# Altium PCB тройничок.PcbDoc (part 1 of 5) (continued)
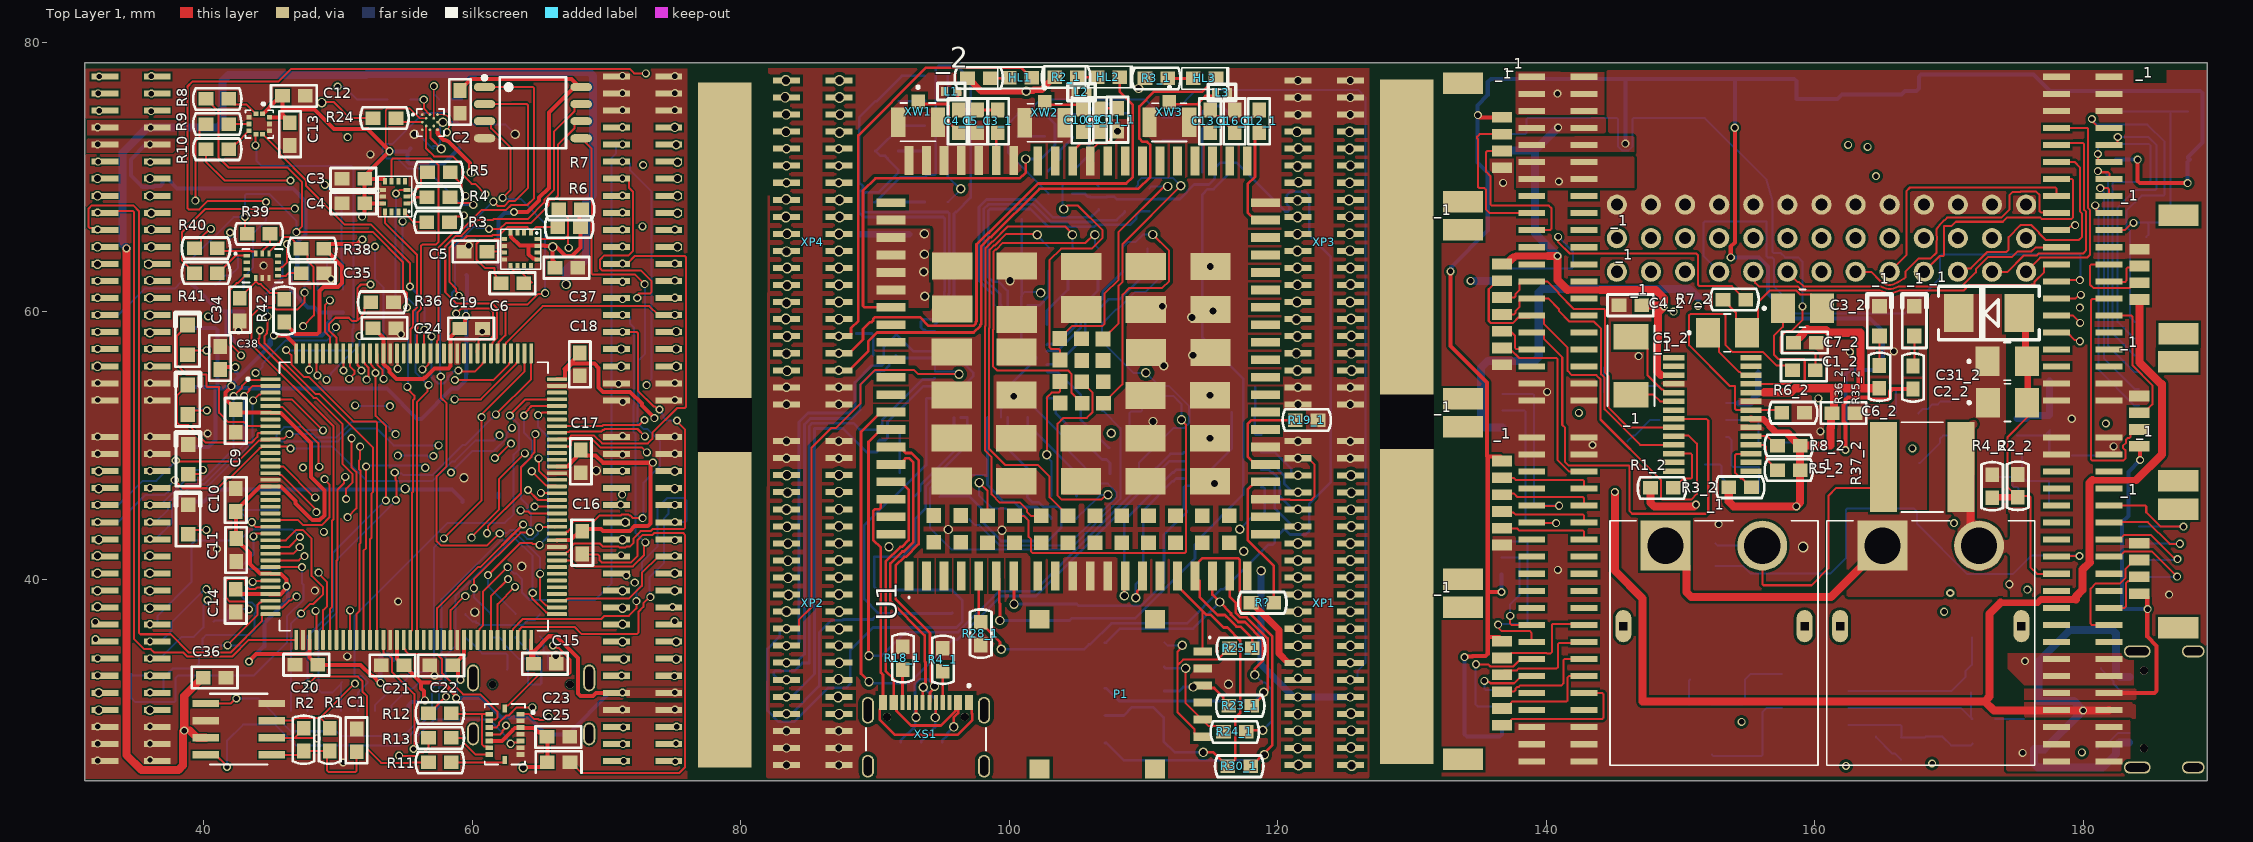
[diagram p0: Top Layer 1 view]
## Components (designator, comment, footprint, x,y, rotation, side; value= is the part's Value field where it differs from the comment) (continued)
D "D" GTFP08131Y2HR 45.425,71.025 r180 bottom
D1 "BMP388" PQFN50P200X200X80-10N 44.15,73.95 r270 top
D2 "BMI088" PQFN50P450X300X100-16N 62.44,28.5 r270 top
D3 "BMM150" XDCR_BMM150 56.893,74.057 r0 top
D4 "BMI270" XDCR_BMI270 44.375,63.4 r0 top
HL1 "Text" LD0603 100.841,77.399 r0 top
HL1 "" LD0805 38.8,57.875 r90 top
HL2 "Text" LD0603 107.391,77.449 r0 top
HL2 "" LD0805 38.825,53.425 r90 top
HL3 "Text" LD0603 114.566,77.349 r0 top
HL3 "" LD0805 38.85,48.975 r90 top
HL4 "Text" LD0603 104.716,73.824 r90 bottom
HL4 "" LD0805 38.85,44.5 r90 top
HL5 "Text" LD0603 113.242,73.574 r90 bottom
HL6 "Text" LD0603 102.666,73.899 r90 bottom
HL7 "Text" LD0603 90.817,68.124 r180 bottom
HL8 "Text" LD0603 90.892,71.949 r180 bottom
HL9 "Text" LD0603 90.917,75.649 r180 bottom
L1 "Inductor" L0402 95.691,76.374 r0 top value=68nH
L2 "Inductor" L0402 105.391,76.317 r0 top value=68nH
L3 "Inductor" L0402 115.867,76.299 r180 top value=68nH
LDO1 "КФ1158Н" ТО-263 67.167,63.902 r180 bottom
LDO2 "КФ1158Н" ТО-263 67.184,47.45 r180 bottom
P "Header 1x8" "PicoBlade 8pin" 50.885,30.25 r180 bottom
P1 "KF034" "RUICHI KF034" 107.891,31.424 r270 top
R1 "60Om" R0603 49.4,28.1 r270 top
R1_2 "1 kOm" R0603 148.625,46.85 r180 top (schematic designator R1)
R2 "60 Om" R0603 47.45,28.1 r270 top
R2_1 "1k" R0603 104.241,77.449 r180 top (schematic designator R2)
R2_2 "" R0603 175.125,47 r90 top (schematic designator R2)
R3 "0" R0603 57.475,66.65 r0 top
R3_1 "1k" R0603 110.966,77.349 r180 top (schematic designator R3)
R3_2 "1 kOm" R0603 154.45,46.9 r180 top (schematic designator R3)
R4 "0" R0603 57.5,68.5 r0 top
R4_1 "5,1 кОм" R0603 95.067,34.049 r270 top (schematic designator R4)
R4_2 "" R0603 173.225,46.975 r90 top (schematic designator R4)
R5 "0" R0603 57.525,70.35 r0 top
R5_1 "120K" R0603 117.491,54.349 r0 bottom (schematic designator R5)
R5_2 "1 kOm" R0603 158.075,48.175 r0 top (schematic designator R5)
R6 "2.2k" R0603 67.225,66.275 r0 top
R6_1 "10K" R0603 117.441,52.474 r180 bottom (schematic designator R6)
R6_2 "10 kOm" R0603 158.4,52.45 r180 top (schematic designator R6)
R7 "2.2k" R0603 67.3,67.6 r0 top
R7_1 "0" R0603 102.966,63.874 r90 bottom (schematic designator R7)
R7_2 "10 kOm" R0603 154.025,60.875 r0 top (schematic designator R7)
R8 "0" R0603 41.025,75.825 r0 top
R8_1 "0" R0603 104.791,63.899 r90 bottom (schematic designator R8)
R8_2 "10 kOm" R0603 158.075,50 r0 top (schematic designator R8)
R9 "0" R0603 41.025,73.95 r0 top
R9_1 "0" R0603 101.342,45.374 r270 bottom (schematic designator R9)
R9_2 "0" R0603 151.85,47.75 r270 bottom (schematic designator R9)
R10 "0" R0603 41.025,72.075 r0 top
R10_1 "0" R0603 108.291,49.849 r0 bottom (schematic designator R10)
R10_2 "124 kOm" R0603 156.725,46.6 r0 bottom (schematic designator R10)
R11 "0" R0603 57.6,26.4 r0 top
R11_1 "0" R0603 108.442,63.849 r90 bottom (schematic designator R11)
R11_2 "23.7 kOm" R0603 156.7,48.425 r0 bottom (schematic designator R11)
R12 "0" R0603 57.6,30.075 r180 top
R12_1 "0" R0603 106.616,63.874 r90 bottom (schematic designator R12)
R12_2 "0" R0603 145.175,54 r0 bottom (schematic designator R12)
R13 "0" R0603 57.6,28.225 r0 top
R13_1 "0" R0603 105.017,45.399 r270 bottom (schematic designator R13)
R13_2 "76.8 kOm" R0603 156.7,50.225 r180 bottom (schematic designator R13)
R14 "5,1 кОм" R0603 65.075,36.625 r270 bottom
R14_1 "0" R0603 103.142,45.399 r90 bottom (schematic designator R14)
R14_2 "100 kOm" R0603 156.625,55.65 r0 bottom (schematic designator R14)
R15 "68" R0603 61.375,36.575 r90 bottom
R15_1 "0" R0603 106.666,68.449 r90 bottom (schematic designator R15)
R15_2 "18.7 kOm" R0603 156.625,53.825 r0 bottom (schematic designator R15)
R16 "68" R0603 63.225,36.6 r90 bottom
R16_1 "0" R0603 108.617,68.299 r90 bottom (schematic designator R16)
R16_2 "193.38 kOm" R0603 145.2,50.325 r180 bottom (schematic designator R16)
R17 "5,1 кОм" R0603 59.525,36.6 r90 bottom
R17_1 "0" R0603 110.442,68.299 r90 bottom (schematic designator R17)
R17_2 "0" R0603 173.5,46.825 r270 bottom (schematic designator R17)
R18 "47 Ом" R0603 43.7,36.875 r180 bottom
R18_1 "5,1 кОм" R0603 92.091,34.174 r270 top (schematic designator R18)
R18_2 "124 kOm" R0603 178.3,45.5 r0 bottom (schematic designator R18)
R19 "47 кОм" R0603 56.025,33.225 r90 bottom
R19_1 "4K7" R0603 122.166,51.899 r0 top (schematic designator R19)
R19_2 "23.7 kOm" R0603 178.3,47.375 r0 bottom (schematic designator R19)
R20 "47 кОм" R0603 54.125,33.2 r90 bottom
R20_1 "1k" R0603 100.641,73.874 r90 bottom (schematic designator R20)
R20_2 "0" R0603 166.875,52.4 r0 bottom (schematic designator R20)
R21 "47 кОм" R0603 52.225,33.225 r90 bottom
R21_1 "1k" R0603 102.916,69.599 r270 bottom (schematic designator R21)
R21_2 "76.8 kOm" R0603 178.325,49.25 r180 bottom (schematic designator R21)
R22 "0" R0603 54.55,75.775 r0 bottom
R22_1 "1k" R0603 111.441,73.599 r90 bottom (schematic designator R22)
R22_2 "100 kOm" R0603 178.35,54.85 r0 bottom (schematic designator R22)
R23 "0" R0603 58.4,75.8 r180 bottom
R23_1 "0" R0603 117.216,30.624 r180 top (schematic designator R23)
R23_2 "18.7 kOm" R0603 178.325,53 r0 bottom (schematic designator R23)
R24 "0" R0603 53.475,74.4 r180 top
R24_1 "0" R0603 116.816,28.674 r180 top (schematic designator R24)
R24_2 "193.38 kOm" R0603 166.925,48.7 r180 bottom (schematic designator R24)
R25 "47 кОм" R0603 50.325,33.25 r90 bottom
R25_1 "0" R0603 117.266,34.899 r180 top (schematic designator R25)
R25_2 "0" R0603 164.575,27.475 r270 bottom (schematic designator R25)
R26 "220" R0603 38.775,57.925 r90 bottom
R26_1 "4k7" R0603 104.717,69.599 r90 bottom (schematic designator R26)
R26_2 "124 kOm" R0603 168.275,27.475 r270 bottom (schematic designator R26)
R27 "220" R0603 38.825,53.525 r90 bottom
R27_1 "4k7" R0603 114.391,69.499 r90 bottom (schematic designator R27)
R27_2 "29 kOm" R0603 172.625,27.8 r0 bottom (schematic designator R27)
R28 "0" R0603 43.7,35.05 r0 bottom
R28_1 "47k" R0603 97.891,35.999 r270 top (schematic designator R28)
R28_2 "0" R0603 151.5,30.725 r0 bottom (schematic designator R28)
R29 "47 кОм" R0603 42.975,60.85 r90 bottom
R29_1 "47k" R0603 116.341,69.424 r270 bottom (schematic designator R29)
R29_2 "100 kOm" R0603 172.6,29.65 r180 bottom (schematic designator R29)
R30 "47 кОм" R0603 40,61.95 r0 bottom
R30_1 "15K" R0603 117.142,26.124 r0 top (schematic designator R30)
R30_2 "10 kOm" R0603 181.325,32.575 r270 bottom (schematic designator R30)
R31 "47 кОм" R0603 50.375,60.775 r90 bottom
R31_1 "100 kOm" R0603 172.575,35.725 r0 bottom (schematic designator R31)
R32 "47 кОм" R0603 48.475,60.75 r90 bottom
R32_1 "10K" R0603 108.366,47.899 r180 bottom (schematic designator R32)
R32_2 "18.7 kOm" R0603 172.575,33.65 r0 bottom (schematic designator R32)
R33 "220" R0603 38.85,49.05 r90 bottom
R33_1 "0" R0603 90.716,58.249 r180 bottom (schematic designator R33)
R33_2 "193.38 kOm" R0603 151.5,26.975 r180 bottom (schematic designator R33)
R34 "0" R0603 39.85,35.025 r0 bottom
R34_1 "0" R0603 90.717,56.724 r180 bottom (schematic designator R34)
R34_2 "10 kOm" R0603 181.05,28.275 r90 bottom (schematic designator R34)
R35 "220" R0603 38.85,44.575 r90 bottom
R35_1 "0" R0603 90.991,51.174 r0 bottom (schematic designator R35)
R35_2 "10 kOm" R0603 167.325,55.075 r270 top (schematic designator R35)
R36 "10 kOm" R0603 53.3,60.675 r0 top
R36_1 "0" R0603 90.991,49.524 r0 bottom (schematic designator R36)
R36_2 "10 kOm" R0603 164.825,55.125 r270 top (schematic designator R36)
R37 "0" R0603 42.25,38.8 r180 bottom
R37_1 "0" R0603 89.966,42.574 r90 bottom (schematic designator R37)
R37_2 "" RESC6864X114N 168.025,48.4 r0 top (schematic designator R37)
R38 "10 кОм" R0603 48.1,64.675 r0 top
R38_1 "0" R0603 110.316,63.824 r90 bottom (schematic designator R38)
R38_2 "" R0603 152.6,41.875 r90 bottom (schematic designator R38)
R39 "0" R0603 44.1,65.775 r0 top
R39_1 "0" R0603 94.566,69.999 r0 bottom (schematic designator R39)
R39_2 "10 kOm" R0603 184.7,64.7 r90 bottom (schematic designator R39)
R40 "0" R0603 40.175,64.7 r0 top
R40_1 "0" R0603 94.566,73.824 r0 bottom (schematic designator R40)
R41 "0" R0603 40.175,62.85 r0 top
R41_1 "0" R0603 94.566,77.549 r0 bottom (schematic designator R41)
R42 "0" R0603 46,60.05 r270 top
R42_1 "6K8 1%" R0603 92.991,45.349 r90 bottom (schematic designator R42)
R43 "10K" R0603 97.041,45.399 r90 bottom
R44 "1k" R0603 94.566,68.149 r0 bottom
R45 "1k" R0603 94.566,71.949 r0 bottom
R46 "1k" R0603 94.591,75.674 r0 bottom
R? "4K7" R0603 118.866,38.299 r180 top
TYPE-C1 "TYPE-C-31-M-12" HRO_TYPE-C-31-M-12#2 64.4,28.525 r180 bottom
U1 "ПР1803Н" "Корректный футпринт ПР1803Н" 137.091,80.974 r0 top locked
U1 "W25Q128FVSIG" SOIC127P790X216-8N 64.525,74.8 r0 top
U2 "RS0204" SOP65P640X120-14N 115.896,48.849 r0 bottom
U2 "QMI8658" QMI8658 54.2,68.475 r270 top
U3 "DM9161A" QFP50P900X900X160-48N 98.641,56.274 r0 bottom locked
U3 "QMC5883L" QMC5883L 63.625,64.7 r0 top
U4 "K1921BK01T2" QFP50P2200X2200X160-144N 55.65,46.2 r0 top
VD1 "Zener" DIO_BZT52C3V9S 93.467,26.899 r270 bottom
VD1 "" DO-214AA 68.225,38.9 r90 bottom
VD2 "Zener" DIO_BZT52C3V9S 95.017,26.924 r270 bottom
VD3 "Zener" DIO_BZT52C3V9S 91.917,26.924 r270 bottom
VD4 "Zener" DIO_BZT52C3V9S 106.141,31.924 r180 bottom
VD5 "Zener" DIO_BZT52C3V9S 106.116,35.324 r180 bottom
VD6 "Zener" DIO_BZT52C3V9S 106.141,27.849 r180 bottom
VD7 "Zener" DIO_BZT52C3V9S 106.141,29.899 r180 bottom
VT1 "BJT-NPN" TRANS_BC847C 107.966,73.749 r0 bottom
VT2 "BJT-NPN" TRANS_BC847C 116.291,73.599 r0 bottom
XP1 "PLLD-1.27-40S" "Headr 2x20 male" 123.469,38.05 r180 top locked
XP1_1 "PLLD-1.27-40S" "Headr 2x20 male" 34.597,65.649 r0 top locked
XP1_2 "PLLD-1.27-40S" "Headr 2x20 Female" 33.97,66.538 r0 bottom locked
XP2 "PLLD-1.27-40S" "Headr 2x20 male" 85.369,38.06 r180 top locked
XP2_1 "PLLD-1.27-40S" "Headr 2x20 male" 72.697,65.649 r0 top locked
XP2_2 "PLLD-1.27-40S" "Headr 2x20 Female" 73.07,66.538 r0 bottom locked
XP3 "PLLD-1.27-40S" "Headr 2x20 male" 123.469,64.92 r180 top
XP3_1 "PLLD-1.27-40S" "Headr 2x20 male" 34.597,38.789 r0 top locked
XP3_2 "PLLD-1.27-40S" "Headr 2x20 Female" 33.97,39.678 r0 bottom locked
XP4 "PLLD-1.27-40S" "Headr 2x20 male" 85.369,64.92 r180 top locked
XP4_1 "PLLD-1.27-40S" "Headr 2x20 male" 72.697,38.789 r0 top locked
XP4_2 "PLLD-1.27-40S" "Headr 2x20 Female" 73.07,39.678 r0 bottom locked
XS1 "USB3.1 TYPE-C 16PF-015" HRO_TYPE-C-31-M-12#3 93.807,26.119 r180 top
XS2 "PBD-1.27-40SA" "Headr 2x20 female"#1 123.596,37.161 r180 bottom
XS3 "PBD-1.27-40SA" "Headr 2x20 female"#1 85.496,37.171 r180 bottom
XS4 "PBD-1.27-40SA" "Headr 2x20 female"#2 123.336,64.031 r0 bottom
XS5 "PBD-1.27-40SA" "Headr 2x20 female"#1 85.496,64.031 r180 bottom
XTAL1 "KSE-6N50000M3C045ZA3" OSCCC700X500X180-4N 109.016,55.124 r270 bottom
XW1 "Con-RF-F" LINX_CONUFL001-SMD-T 93.216,74.099 r180 top
XW2 "Con-RF-F" LINX_CONUFL001-SMD-T 102.641,74.049 r180 top
XW3 "Con-RF-F" LINX_CONUFL001-SMD-T 111.941,74.074 r180 top
Y1 "8 мгц" XTAL_ABM7-8.000MHZ-8-R80-D2Y-T 45.575,43.075 r270 bottom

## Footprints (in the part's own frame and the unit in brackets; to place one, negate y for a bottom-side part, rotate by r counter-clockwise, add the part's x,y. Pads: shape width x height; smd on the part's side, far side on the other; paste and mask are expansions set on the pad)
AMASS_XT60PW-M [mm]
  rect 3.716x3.716 / inner round 3.716 / far side rect 3.716x3.716 hole 2.7: 1(3.6,-6)
  round 3.716 hole 2.7: 2(-3.6,-6)
  oval 1.2x2.4 hole 0.6 square: S1(6.75,0) S2(-6.75,0)
  silkscreen extent -7.75,-7.85 7.75,10.35, body extent -7.75,-7.85 7.75,10.35, height 8.4
at7456 [mm]
  rect 1.57x0.41 smd: 1(-2.794,4.774) 2(-2.794,4.124) 3(-2.794,3.474) 4(-2.794,2.824) 5(-2.794,2.174) 6(-2.794,1.524) 7(-2.794,0.874) 8(-2.794,0.224) 9(-2.794,-0.426) 10(-2.794,-1.076) 11(-2.794,-1.726) 12(-2.794,-2.376) 13(-2.794,-3.026) 14(-2.794,-3.676) 15(2.956,-3.676) 16(2.956,-3.026) 17(2.956,-2.376) 18(2.956,-1.726) 19(2.956,-1.076) 20(2.956,-0.426) 21(2.956,0.224) 22(2.956,0.874) 23(2.956,1.524) 24(2.956,2.174) 25(2.956,2.824) 26(2.956,3.474) 27(2.956,4.124) 28(2.956,4.774)
C0603 [mm] "1608M"
  rect 1.1x1 smd: 1(-0.85,0) 2(0.85,0)
  silkscreen extent -1.7,-0.8 1.7,0.8, body extent -0.8,-0.4 0.8,0.4, height 0.91
CAPPM3528X210N [mm]
  rect 1.79x2.21 smd: 1(-1.46,0) 2(1.46,0)
  silkscreen extent -2.95,-1.4 0.25,1.4, body extent -1.75,-1.4 1.75,1.4, height 2.1
DIO_BZT52C3V9S [mm]
  rect 0.7x0.5 smd: A(1,0) C(-1,0)
  silkscreen extent -2.15,-0.63 0.85,0.63, body extent -1.25,-0.63 1.25,0.63, height 1.1
DIOM5226X240N [mm]
  rrect50% 2.33x1.55 smd: A(2.135,0) C(-2.135,0)
  silkscreen extent -4.1,-1.46 2.6,1.46
DO-214AA [mm] "(SMB) Low profile package"
  rect 2.2x2.8 smd: 1(-2.25,0) 2(2.25,0)
  silkscreen extent -3.75,-2 3.75,2, body extent -2.7,-1.8 2.7,1.8, height 2.3
GTFP08131Y2HR [mm]
  rect 0.7x1.6 smd: 1(-4.85,-7.325) 2(-3.75,-7.325) 3(-2.65,-7.325) 4(-1.55,-7.325) 5(-0.45,-7.325) 6(0.65,-7.325) 7(1.75,-7.325) 8(2.85,-7.325) 9(3.95,-7.325) CD(5.05,-7.325)
  rect 1x1.5 smd: S1(-7.05,0.8) S2(7.8,0.8)
"Headr 2x20 Female" [mm]
  rect 1.2x0.45 smd: 1(-1.82,-10.962) 2(2.08,-10.962) 3(-1.82,-9.692) 4(2.08,-9.692) 5(-1.82,-8.422) 6(2.08,-8.422) 7(-1.82,-7.152) 8(2.08,-7.152) 9(-1.82,-5.882) 10(2.08,-5.882) 11(-1.82,-4.612) 12(2.08,-4.612) 13(-1.82,-3.342) 14(2.08,-3.342) 15(-1.82,-2.072) 16(2.08,-2.072) 17(-1.82,-0.802) 18(2.08,-0.802) 19(-1.82,0.468) 20(2.08,0.468) 21(-1.82,1.738) 22(2.08,1.738) 23(-1.82,3.008) 24(2.08,3.008) 25(-1.82,4.278) 26(2.08,4.278) 27(-1.82,5.548) 28(2.08,5.548) 29(-1.82,6.818) 30(2.08,6.818) 31(-1.82,8.088) 32(2.08,8.088) 33(-1.82,9.358) 34(2.08,9.358) 35(-1.82,10.628) 36(2.08,10.628) 37(-1.82,11.898) 38(2.08,11.898) 39(-1.82,13.168) 40(2.08,13.168)
"Headr 2x20 female"#1 [mm]
  rect 1.2x0.45 smd: 1(-1.82,-10.962) 2(2.08,-10.962) 3(-1.82,-9.692) 4(2.08,-9.692) 5(-1.82,-8.422) 6(2.08,-8.422) 7(-1.82,-7.152) 8(2.08,-7.152) 9(-1.82,-5.882) 10(2.08,-5.882) 11(-1.82,-4.612) 12(2.08,-4.612) 13(-1.82,-3.342) 14(2.08,-3.342) 15(-1.82,-2.072) 16(2.08,-2.072) 17(-1.82,-0.802) 18(2.08,-0.802) 19(-1.82,0.468) 20(2.08,0.468) 21(-1.82,1.738) 22(2.08,1.738) 23(-1.82,3.008) 24(2.08,3.008) 25(-1.82,4.278) 26(2.08,4.278) 27(-1.82,5.548) 28(2.08,5.548) 29(-1.82,6.818) 30(2.08,6.818) 31(-1.82,8.088) 32(2.08,8.088) 33(-1.82,9.358) 34(2.08,9.358) 35(-1.82,10.628) 36(2.08,10.628) 37(-1.82,11.898) 38(2.08,11.898) 39(-1.82,13.168) 40(2.08,13.168)
  body extent -2.05,-11.61 2.32,13.84, height 2.5
"Headr 2x20 female"#2 [mm]
  rect 1.2x0.45 smd: 1(-1.82,10.962) 2(2.08,10.962) 3(-1.82,9.692) 4(2.08,9.692) 5(-1.82,8.422) 6(2.08,8.422) 7(-1.82,7.152) 8(2.08,7.152) 9(-1.82,5.882) 10(2.08,5.882) 11(-1.82,4.612) 12(2.08,4.612) 13(-1.82,3.342) 14(2.08,3.342) 15(-1.82,2.072) 16(2.08,2.072) 17(-1.82,0.802) 18(2.08,0.802) 19(-1.82,-0.468) 20(2.08,-0.468) 21(-1.82,-1.738) 22(2.08,-1.738) 23(-1.82,-3.008) 24(2.08,-3.008) 25(-1.82,-4.278) 26(2.08,-4.278) 27(-1.82,-5.548) 28(2.08,-5.548) 29(-1.82,-6.818) 30(2.08,-6.818) 31(-1.82,-8.088) 32(2.08,-8.088) 33(-1.82,-9.358) 34(2.08,-9.358) 35(-1.82,-10.628) 36(2.08,-10.628) 37(-1.82,-11.898) 38(2.08,-11.898) 39(-1.82,-13.168) 40(2.08,-13.168)
  body extent -2.02,-13.87 2.36,11.58, height 2.5
"Headr 2x20 male" [mm]
  rect 2x0.45 smd: 1(-1.947,11.851) 2(1.953,11.851) 3(-1.947,10.581) 4(1.953,10.581) 5(-1.947,9.311) 6(1.953,9.311) 7(-1.947,8.041) 8(1.953,8.041) 9(-1.947,6.771) 10(1.953,6.771) 11(-1.947,5.501) 12(1.953,5.501) 13(-1.947,4.231) 14(1.953,4.231) 15(-1.947,2.961) 16(1.953,2.961) 17(-1.947,1.691) 18(1.953,1.691) 19(-1.947,0.421) 20(1.953,0.421) 21(-1.947,-0.849) 22(1.953,-0.849) 23(-1.947,-2.119) 24(1.953,-2.119) 25(-1.947,-3.389) 26(1.953,-3.389) 27(-1.947,-4.659) 28(1.953,-4.659) 29(-1.947,-5.929) 30(1.953,-5.929) 31(-1.947,-7.199) 32(1.953,-7.199) 33(-1.947,-8.469) 34(1.953,-8.469) 35(-1.947,-9.739) 36(1.953,-9.739) 37(-1.947,-11.009) 38(1.953,-11.009) 39(-1.947,-12.279) 40(1.953,-12.279)
"Headr 2x20 Male" [mm]
  rect 2x0.45 smd: 1(-1.947,11.851) 2(1.953,11.851) 3(-1.947,10.581) 4(1.953,10.581) 5(-1.947,9.311) 6(1.953,9.311) 7(-1.947,8.041) 8(1.953,8.041) 9(-1.947,6.771) 10(1.953,6.771) 11(-1.947,5.501) 12(1.953,5.501) 13(-1.947,4.231) 14(1.953,4.231) 15(-1.947,2.961) 16(1.953,2.961) 17(-1.947,1.691) 18(1.953,1.691) 19(-1.947,0.421) 20(1.953,0.421) 21(-1.947,-0.849) 22(1.953,-0.849) 23(-1.947,-2.119) 24(1.953,-2.119) 25(-1.947,-3.389) 26(1.953,-3.389) 27(-1.947,-4.659) 28(1.953,-4.659) 29(-1.947,-5.929) 30(1.953,-5.929) 31(-1.947,-7.199) 32(1.953,-7.199) 33(-1.947,-8.469) 34(1.953,-8.469) 35(-1.947,-9.739) 36(1.953,-9.739) 37(-1.947,-11.009) 38(1.953,-11.009) 39(-1.947,-12.279) 40(1.953,-12.279)
HRO_TYPE-C-31-M-12#1 [mm]
  rect 0.6x1.14 smd mask+0.05: A1_B12(-3.2,4.75) A4_B9(-2.4,4.75) B1_A12(3.2,4.75) B4_A9(2.4,4.75)
  rect 0.3x1.14 smd mask+0.05: A5(-1.25,4.75) A6(-0.25,4.75) A7(0.25,4.75) A8(1.25,4.75) B5(1.75,4.75) B6(0.75,4.75) B7(-0.75,4.75) B8(-1.75,4.75)
  oval 0.9x2 hole 0.6 slot 1.7 at 90 deg: S1(-4.325,4.17) S2(4.325,4.17)
  oval 0.9x1.7 hole 0.6 slot 1.4 at 90 deg: S3(-4.325,0) S4(4.325,0)
  round 0.6 hole 0.6 unplated: ""(-2.89,3.68) ""(2.89,3.68)
  silkscreen extent -3.3,5.9 -3.1,6.1
HRO_TYPE-C-31-M-12#2 [mm]
  rect 0.6x1.14 smd mask+0.05: 2(2.4,4.75) 15(-2.4,4.75) A1_B12(-3.2,4.75) B1_A12(3.2,4.75)
  rect 0.3x1.14 smd mask+0.05: A5(-1.25,4.75) A6(-0.25,4.75) A7(0.25,4.75) A8(1.25,4.75) B5(1.75,4.75) B6(0.75,4.75) B7(-0.75,4.75) B8(-1.75,4.75)
  oval 0.9x2 hole 0.6 slot 1.7 at 90 deg: S1(-4.325,4.17) S2(4.325,4.17)
  oval 0.9x1.7 hole 0.6 slot 1.4 at 90 deg: S3(-4.325,0) S4(4.325,0)
  round 0.6 hole 0.6 unplated: ""(-2.89,3.68) ""(2.89,3.68)
  silkscreen extent -4.47,-2.6 4.47,6.1, body extent -4.47,-2.6 4.47,5.31, height 3.31
HRO_TYPE-C-31-M-12#3 [mm]
  rect 0.6x1.14 smd mask+0.05: A1_B12(-3.2,-4.75) A4_B9(-2.4,-4.75) B1_A12(3.2,-4.75) B4_A9(2.4,-4.75)
  rect 0.3x1.14 smd mask+0.05: A5(-1.25,-4.75) A6(-0.25,-4.75) A7(0.25,-4.75) A8(1.25,-4.75) B5(1.75,-4.75) B6(0.75,-4.75) B7(-0.75,-4.75) B8(-1.75,-4.75)
  oval 0.9x2 hole 0.6 slot 1.7 at 90 deg: S1(-4.325,-4.17) S2(4.325,-4.17)
  oval 0.9x1.7 hole 0.6 slot 1.4 at 90 deg: S3(-4.325,0) S4(4.325,0)
  round 0.6 hole 0.6 unplated: ""(-2.89,-3.68) ""(2.89,-3.68)
  silkscreen extent -4.47,-6.1 4.47,-1.17, body extent -4.47,-5.31 4.47,2.6, height 3.31
IND_VLS6045EX-150M [mm]
  rect 1.9x5.1 smd: 1(-2.1,0) 2(2.1,0)
  silkscreen extent -3,-3 3,3, body extent -3,-3 3,3, height 4.5
L0402 [mm] "1005M"
  rect 0.5x0.7 smd: 1(-0.5,0) 2(0.5,0)
  Top Layer 1 pour cut-out: -0.25,0.35 0.25,0.35 0.25,-0.35 -0.25,-0.35
  silkscreen extent -1.02,-0.63 1.02,0.63, body extent -0.5,-0.3 0.5,0.3, height 0.5
LD0603 [mm]
  rect 1.1x1 smd: 1(-0.85,0) 2(0.85,0)
  silkscreen extent -1.7,-0.8 1.8,0.8, body extent -0.8,-0.4 0.8,0.4, height 0.7
LD0805 [mm]
  rect 1.1x1.1 smd: 1(-1.1,0) 2(1.1,0)
  silkscreen extent -2,-0.9 2,0.9, body extent -1,-0.62 1,0.63, height 0.73
LINX_CONUFL001-SMD-T [mm]
  rect 1x1.05 smd: 1(0,-1.525)
  rect 1.05x2.2 smd: 2(-1.475,0) 3(1.475,0)
  silkscreen extent -1.3,-2.7 1.3,1.42, body extent -1.5,-1.55 1.5,1.55, height 1.3
OSCCC700X500X180-4N [mm]
  rect 1.8x2 smd: 1(-2.54,-2.1) 2(2.54,-2.1) 3(2.54,2.1) 4(-2.54,2.1)
  body extent -3.5,-2.52 3.5,2.58, height 1.3
"PicoBlade 3pin" [mm]
  rect 0.8x1.5 smd: 1(-1.29,2.65) 2(-0.04,2.65) 3(1.21,2.65)
  rect 1.6x3 smd: S(-3.84,-0.25) S(3.76,-0.25)
"PicoBlade 4pin" [mm]
  rect 0.8x1.5 smd: 1(-1.84,1.525) 2(-0.59,1.525) 3(0.66,1.525) 4(1.91,1.525)
  rect 1.6x3 smd: S(-4.39,-1.375) S(4.46,-1.375)
"PicoBlade 6pin" [mm]
  rect 0.8x1.5 smd: 1(-3.065,1.65) 2(-1.815,1.65) 3(-0.565,1.65) 4(0.685,1.65) 5(1.935,1.65) 6(3.185,1.65)
  rect 1.6x3 smd: S(-5.615,-1.25) S(5.735,-1.25)
"PicoBlade 7pin" [mm]
  rect 0.8x1.5 smd: 1(-3.715,0.025) 2(-2.465,0.025) 3(-1.215,0.025) 4(0.035,0.025) 5(1.285,0.025) 6(2.535,0.025) 7(3.785,0.025)
  rect 1.6x3 smd: S(-6.265,-2.875) S(6.335,-2.875)
"PicoBlade 8pin" [mm]
  rect 0.8x1.6 smd: 1(-4.365,0) 2(-3.115,0) 3(-1.865,0) 4(-0.615,0) 5(0.635,0) 6(1.885,0) 7(3.135,0) 8(4.385,0)
  rect 2.1x3 smd: S(-6.915,-2.9) S(6.935,-2.9)
PQFN50P200X200X80-10N [mm]
  rrect9% 0.35x0.38 smd: 1(-0.765,0.25) 2(-0.765,-0.25) 3(-0.5,-0.765) 4(0,-0.765) 5(0.5,-0.765) 6(0.765,-0.25) 7(0.765,0.25) 8(0.5,0.765) 9(0,0.765) 10(-0.5,0.765)
  silkscreen extent -1.6,-1.03 1.03,1.03
PQFN50P450X300X100-16N [mm]
  rect 0.35x0.59 smd: 1(-1.5,1.165) 2(-1,1.165) 3(-0.5,1.165) 4(0,1.165) 5(0.5,1.165) 6(1,1.165) 7(1.5,1.165) 9(1.5,-1.165) 10(1,-1.165) 11(0.5,-1.165) 12(0,-1.165) 13(-0.5,-1.165) 14(-1,-1.165) 15(-1.5,-1.165)
  rect 0.59x0.35 smd: 8(1.915,0) 16(-1.915,0)
  silkscreen extent -2.25,-1.5 2.25,2.2
QFP50P900X900X160-48N [mm]
  rrect25% 1.56x0.28 smd: 1(-4.18,2.75) 2(-4.18,2.25) 3(-4.18,1.75) 4(-4.18,1.25) 5(-4.18,0.75) 6(-4.18,0.25) 7(-4.18,-0.25) 8(-4.18,-0.75) 9(-4.18,-1.25) 10(-4.18,-1.75) 11(-4.18,-2.25) 12(-4.18,-2.75) 25(4.18,-2.75) 26(4.18,-2.25) 27(4.18,-1.75) 28(4.18,-1.25) 29(4.18,-0.75) 30(4.18,-0.25) 31(4.18,0.25) 32(4.18,0.75) 33(4.18,1.25) 34(4.18,1.75) 35(4.18,2.25) 36(4.18,2.75)
  rrect25% 0.28x1.56 smd: 13(-2.75,-4.18) 14(-2.25,-4.18) 15(-1.75,-4.18) 16(-1.25,-4.18) 17(-0.75,-4.18) 18(-0.25,-4.18) 19(0.25,-4.18) 20(0.75,-4.18) 21(1.25,-4.18) 22(1.75,-4.18) 23(2.25,-4.18) 24(2.75,-4.18) 37(2.75,4.18) 38(2.25,4.18) 39(1.75,4.18) 40(1.25,4.18) 41(0.75,4.18) 42(0.25,4.18) 43(-0.25,4.18) 44(-0.75,4.18) 45(-1.25,4.18) 46(-1.75,4.18) 47(-2.25,4.18) 48(-2.75,4.18)
  silkscreen extent -4.47,-3.5 3.5,3.75
QFP50P2200X2200X160-144N [mm]
  rrect25% 1.47x0.28 smd: 1(-10.67,8.75) 2(-10.67,8.25) 3(-10.67,7.75) 4(-10.67,7.25) 5(-10.67,6.75) 6(-10.67,6.25) 7(-10.67,5.75) 8(-10.67,5.25) 9(-10.67,4.75) 10(-10.67,4.25) 11(-10.67,3.75) 12(-10.67,3.25) 13(-10.67,2.75) 14(-10.67,2.25) 15(-10.67,1.75) 16(-10.67,1.25) 17(-10.67,0.75) 18(-10.67,0.25) 19(-10.67,-0.25) 20(-10.67,-0.75) 21(-10.67,-1.25) 22(-10.67,-1.75) 23(-10.67,-2.25) 24(-10.67,-2.75) 25(-10.67,-3.25) 26(-10.67,-3.75) 27(-10.67,-4.25) 28(-10.67,-4.75) 29(-10.67,-5.25) 30(-10.67,-5.75) 31(-10.67,-6.25) 32(-10.67,-6.75) 33(-10.67,-7.25) 34(-10.67,-7.75) 35(-10.67,-8.25) 36(-10.67,-8.75) 73(10.67,-8.75) 74(10.67,-8.25) 75(10.67,-7.75) 76(10.67,-7.25) 77(10.67,-6.75) 78(10.67,-6.25) 79(10.67,-5.75) 80(10.67,-5.25) 81(10.67,-4.75) 82(10.67,-4.25) 83(10.67,-3.75) 84(10.67,-3.25) 85(10.67,-2.75) 86(10.67,-2.25) 87(10.67,-1.75) 88(10.67,-1.25) 89(10.67,-0.75) 90(10.67,-0.25) 91(10.67,0.25) 92(10.67,0.75) 93(10.67,1.25) 94(10.67,1.75) 95(10.67,2.25) 96(10.67,2.75) 97(10.67,3.25) 98(10.67,3.75) 99(10.67,4.25) 100(10.67,4.75) 101(10.67,5.25) 102(10.67,5.75) 103(10.67,6.25) 104(10.67,6.75) 105(10.67,7.25) 106(10.67,7.75) 107(10.67,8.25) 108(10.67,8.75)
  rrect25% 0.28x1.47 smd: 37(-8.75,-10.67) 38(-8.25,-10.67) 39(-7.75,-10.67) 40(-7.25,-10.67) 41(-6.75,-10.67) 42(-6.25,-10.67) 43(-5.75,-10.67) 44(-5.25,-10.67) 45(-4.75,-10.67) 46(-4.25,-10.67) 47(-3.75,-10.67) 48(-3.25,-10.67) 49(-2.75,-10.67) 50(-2.25,-10.67) 51(-1.75,-10.67) 52(-1.25,-10.67) 53(-0.75,-10.67) 54(-0.25,-10.67) 55(0.25,-10.67) 56(0.75,-10.67) 57(1.25,-10.67) 58(1.75,-10.67) 59(2.25,-10.67) 60(2.75,-10.67) 61(3.25,-10.67) 62(3.75,-10.67) 63(4.25,-10.67) 64(4.75,-10.67) 65(5.25,-10.67) 66(5.75,-10.67) 67(6.25,-10.67) 68(6.75,-10.67) 69(7.25,-10.67) 70(7.75,-10.67) 71(8.25,-10.67) 72(8.75,-10.67) 109(8.75,10.67) 110(8.25,10.67) 111(7.75,10.67) 112(7.25,10.67) 113(6.75,10.67) 114(6.25,10.67) 115(5.75,10.67) 116(5.25,10.67) 117(4.75,10.67) 118(4.25,10.67) 119(3.75,10.67) 120(3.25,10.67) 121(2.75,10.67) 122(2.25,10.67) 123(1.75,10.67) 124(1.25,10.67) 125(0.75,10.67) 126(0.25,10.67) 127(-0.25,10.67) 128(-0.75,10.67) 129(-1.25,10.67) 130(-1.75,10.67) 131(-2.25,10.67) 132(-2.75,10.67) 133(-3.25,10.67) 134(-3.75,10.67) 135(-4.25,10.67) 136(-4.75,10.67) 137(-5.25,10.67) 138(-5.75,10.67) 139(-6.25,10.67) 140(-6.75,10.67) 141(-7.25,10.67) 142(-7.75,10.67) 143(-8.25,10.67) 144(-8.75,10.67)
  silkscreen extent -12.44,-10 10,10
QMC5883L [mm]
  rect 0.4x0.3 smd: 1(1.225,0.675) 2(1.225,0.175) 3(1.225,-0.325) 4(1.225,-0.825) 9(-1.225,-0.825) 10(-1.225,-0.325) 11(-1.225,0.175) 12(-1.225,0.675)
  rect 0.3x0.4 smd: 5(0.75,-1.3) 6(0.25,-1.3) 7(-0.25,-1.3) 8(-0.75,-1.3) 13(-0.75,1.15) 14(-0.25,1.15) 15(0.25,1.15) 16(0.75,1.15)
  silkscreen extent -1.5,-1.58 1.5,1.42
QMI8658 [mm]
  rect 0.5x0.3 smd: 1(1.075,0.8) 2(1.075,0.3) 3(1.075,-0.2) 4(1.075,-0.7) 8(-1.225,-0.7) 9(-1.225,-0.2) 10(-1.225,0.3) 11(-1.225,0.8)
  rect 0.3x0.5 smd: 5(0.425,-0.85) 6(-0.075,-0.85) 7(-0.575,-0.85) 12(-0.575,0.95) 13(-0.075,0.95) 14(0.425,0.95)
  silkscreen extent -1.57,-1.2 1.43,1.3
R0603 [mm] "1608M"
  rect 1.1x1 smd: 1(-0.85,0) 2(0.85,0)
  silkscreen extent -1.8,-0.8 1.8,0.8, body extent -0.8,-0.4 0.8,0.4, height 0.38
RESC6864X114N [mm]
  rect 2x6.71 smd: 1(-2.886,0) 2(2.886,0)
  silkscreen extent -1.56,-3.35 1.56,3.35
"RUICHI KF034" [mm]
  rect 0.6x1.4 smd: 1(-3.241,6.528) 2(-1.971,6.528) 3(-0.701,6.528) 4(0.569,6.528) 5(1.839,6.528) 6(3.109,6.528)
  rect 1.4x1.5 smd: S1(-5.641,2.978) S2(5.509,2.978) S3(-5.641,-5.622) S4(5.509,-5.622)
SERV [mm]
  round 1.5 hole 0.9: 1(-15.113,0) 2(-12.573,0) 3(-10.033,0) 4(-7.493,0) 5(-4.953,0) 6(-2.413,0) 7(0.127,0) 8(2.667,0) 9(5.207,0) 10(7.747,0) 11(10.287,0) 12(12.827,0) 13(15.367,0)
SO-8_S [mil]
  rect 78x21 smd: 1(-97,75) 2(-97,25) 3(-97,-25) 4(-97,-75) 5(97,-75) 6(97,-25) 7(97,25) 8(97,75)
  silkscreen extent -84,-104 84,104, body extent -96,-118 96,118, height 69
SOIC127P600X170-9N [mm]
  rrect54% 1.97x0.6 smd: 1(-2.475,1.905) 2(-2.475,0.635) 3(-2.475,-0.635) 4(-2.475,-1.905) 5(2.475,-1.905) 6(2.475,-0.635) 7(2.475,0.635) 8(2.475,1.905)
  rect 2.41x3.3 smd paste-3: 9(0,0)
  silkscreen extent -2.77,-2.5 2,2.84, body extent -2.45,-3 2.45,3, height 1.7
SOIC127P790X216-8N [mm]
  oval 1.6x0.6 smd: 1(-3.6,1.905) 2(-3.6,0.635) 3(-3.6,-0.635) 4(-3.6,-1.905) 5(3.6,-1.905) 6(3.6,-0.635) 7(3.6,0.635) 8(3.6,1.905)
  silkscreen extent -3.82,-2.65 2.47,2.82
SOP65P640X120-14N [mm]
  rrect25% 1.57x0.41 smd: 1(-2.87,1.95) 2(-2.87,1.3) 3(-2.87,0.65) 4(-2.87,0) 5(-2.87,-0.65) 6(-2.87,-1.3) 7(-2.87,-1.95) 8(2.87,-1.95) 9(2.87,-1.3) 10(2.87,-0.65) 11(2.87,0) 12(2.87,0.65) 13(2.87,1.3) 14(2.87,1.95)
  silkscreen extent -4.34,-2.5 2.2,2.5
TD-16EA [mm]
  rect 1.5x1 smd: 1(-2.475,1.475) 1(3.025,1.475) 2(-2.475,-1.925) 2(3.025,-1.925)
  silkscreen extent 0.1,3.47 0.6,3.47
TRANS_BC847C [mm]
  rect 0.8x0.9 smd: 1(-0.95,-1) 2(0.95,-1) 3(0,1)
  silkscreen extent -2.15,-1.15 1.45,0.65, body extent -1.52,-1.27 1.52,1.33, height 1.2
XDCR_BMI270 [mm]
  rect 0.475x0.25 smd: 1(-1.162,0.75) 2(-1.162,0.25) 3(-1.162,-0.25) 4(-1.162,-0.75) 8(1.162,-0.75) 9(1.162,-0.25) 10(1.162,0.25) 11(1.162,0.75)
  rect 0.25x0.475 smd: 5(-0.5,-0.913) 6(0,-0.913) 7(0.5,-0.913) 12(0.5,0.913) 13(0,0.913) 14(-0.5,0.913)
  silkscreen extent -2.07,-1.25 1.5,1.25, body extent -1.5,-1.25 1.5,1.25, height 0.87
XDCR_BMM150 [mm]
  round 0.2 smd: A1(-0.601,0.601) A3(-0.035,0.601) A5(0.531,0.601) B2(-0.318,0.318) B4(0.248,0.318) C1(-0.601,0.035) C5(0.531,0.035) D2(-0.318,-0.248) D4(0.248,-0.248) E1(-0.601,-0.531) E3(-0.035,-0.531) E5(0.531,-0.531)
  silkscreen extent -1.37,-1.02 1.02,1.02
XTAL_ABM7-8.000MHZ-8-R80-D2Y-T [mm]
  rect 1.9x2.6 smd: 1(-2.15,0) 2(2.15,0)
  silkscreen extent -3,-1.75 3,1.75
"Корректный футпринт ПР1803Н" [mm]
  rect 0.65x2.15 smd: 1(-44.55,-40.675) 2(-43.25,-40.675) 3(-41.95,-40.675) 4(-40.65,-40.675) 5(-39.35,-40.675) 6(-38.05,-40.675) 7(-36.75,-40.675) 8(-32.35,-40.675) 9(-31.05,-40.675) 10(-29.75,-40.675) 11(-28.45,-40.675) 12(-27.15,-40.675) 13(-25.85,-40.675) 14(-24.55,-40.675) 15(-23.25,-40.675) 16(-21.95,-40.675) 17(-20.65,-40.675) 18(-19.35,-40.675) 37(-19.35,-9.775) 38(-20.65,-9.775) 39(-21.95,-9.775) 40(-23.25,-9.775) 41(-24.55,-9.775) 42(-25.85,-9.775) 43(-27.15,-9.775) 44(-28.45,-9.775) 45(-29.75,-9.775) 46(-31.05,-9.775) 47(-32.35,-9.775) 48(-36.75,-9.75) 49(-38.05,-9.75) 50(-39.35,-9.75) 51(-40.65,-9.75) 52(-41.95,-9.75) 53(-43.25,-9.75) 54(-44.55,-9.75) 141(-34.95,-40.675) 142(-33.65,-40.675) 143(-33.65,-9.775) 144(-34.95,-9.775)
  rect 2.15x0.65 smd: 19(-18,-34.975) 20(-18,-33.675) 21(-18,-32.375) 22(-18,-31.075) 23(-18,-29.775) 24(-18,-28.475) 25(-18,-27.175) 26(-18,-25.875) 27(-18,-24.575) 28(-18,-23.275) 29(-18,-21.975) 30(-18,-20.675) 31(-18,-19.375) 32(-18,-18.075) 33(-18,-16.775) 34(-18,-15.475) 35(-18,-14.175) 36(-18,-12.875) 55(-45.9,-12.875) 56(-45.9,-14.175) 57(-45.9,-15.475) 58(-45.9,-16.775) 59(-45.9,-18.075) 60(-45.9,-19.375) 61(-45.9,-20.675) 62(-45.9,-21.975) 63(-45.9,-23.275) 64(-45.9,-24.575) 65(-45.9,-25.875) 66(-45.9,-27.175) 67(-45.9,-28.475) 68(-45.9,-29.775) 69(-45.9,-31.075) 70(-45.9,-32.375) 71(-45.9,-33.675) 72(-45.9,-34.975) 113(-45.9,-36.275) 114(-45.9,-37.575) 115(-18,-36.275) 116(-18,-37.575)
  rect 1.1x1.1 smd: 73(-33.325,-23) 74(-31.71,-23.017) 75(-30.1,-23.025) 76(-33.3,-24.6) 77(-31.685,-24.641) 78(-30.089,-24.624) 79(-33.3,-26.2) 80(-31.685,-26.217) 81(-30.075,-26.225) 82(-33.275,-27.8) 83(-31.65,-27.825) 84(-30.064,-27.824) 117(-42.7,-36.175) 118(-40.7,-36.175) 119(-38.7,-36.2) 120(-36.7,-36.2) 121(-34.7,-36.2) 122(-32.7,-36.2) 123(-30.7,-36.2) 124(-28.7,-36.2) 125(-26.7,-36.2) 126(-24.7,-36.2) 127(-22.7,-36.2) 128(-20.7,-36.2) 129(-42.7,-38.175) 130(-40.7,-38.175) 131(-38.7,-38.2) 132(-36.7,-38.2) 133(-34.7,-38.2) 134(-32.7,-38.2) 135(-30.7,-38.2) 136(-28.7,-38.2) 137(-26.7,-38.2) 138(-24.7,-38.2) 139(-22.7,-38.2) 140(-20.7,-38.2)
  rect 3x2 smd: 85(-41.33,-17.603) 86(-36.525,-17.6) 87(-31.725,-17.625) 88(-26.905,-17.628) 89(-22.1,-17.625) 90(-41.33,-20.803) 91(-36.525,-21.575) 92(-31.725,-20.825) 93(-26.905,-20.828) 94(-22.1,-20.825) 95(-41.355,-24.003) 96(-36.55,-24) 97(-26.9,-24.025) 98(-22.1,-24.025) 99(-41.355,-27.203) 100(-36.55,-27.2) 101(-26.93,-27.228) 102(-22.125,-27.225) 103(-41.355,-30.403) 104(-36.555,-30.428) 105(-31.75,-30.425) 106(-26.93,-30.428) 107(-22.125,-30.425) 108(-41.355,-33.603) 109(-36.555,-33.628) 110(-31.73,-33.628) 111(-26.93,-33.628) 112(-22.125,-33.625)
  body extent -46.28,-41.25 -17.27,-9.25, height 2.42
ТО-263 [mm]
  rect 1.4x2.79 smd: 1(0.127,-1.022)
  rect 8.13x8.13 smd: 2(2.667,9.398)
  rect 0.99x2.79 smd: 3(5.207,-1.022)

## Part data
_1: "OSD"
_1 _1 _1: "Diode, Rectifier, 3a, 40v, Do-214ac, Full Reel", Package=None, Availability=Unavailable, MP=B340A-13-F, Price=None
_1 _1 _1: library part VLS6045EX-150M, "15 ÂµH Shielded Drum Core, Wirewound Inductor 2.5 A 75mOhm Nonstandard", Package="NON STANDARD-2 TDK", Availability="In Stock", Check_prices=https://www.snapeda.com/parts/VLS6045EX-150M/TDK/view-part/?ref=eda, MF=TDK, MP=VLS6045EX-150M, Price=None, Purchase-URL=https://pricing.snapeda.com/search/part/VLS6045EX-150M/?ref=eda, SnapEDA_Link=https://www.snapeda.com/parts/VLS6045EX-150M/TDK/view-part/?ref=snap
_1 _1 HL1 HL1 HL2 HL2 HL3 HL3 HL4 HL4 HL5 HL6 HL7 HL8 HL9: library part Led-1, Published=03.12.2013, Publisher="Andrew Danich", Type="Индикатор единичный"
_1: "Crystal 22.1184MHz Ã‚Â±20ppm (Tol) Ã‚Â±30ppm (Stability) 18pF FUND 50Ohm 2-Pin Mini-CSMD T/R", Package=None, Availability=Unavailable, MP=ABM7-8.000MHZ-8-R80-D2Y-T, Price=None
_1: "Switch", LatestRevisionDate=17-Jul-2002, LatestRevisionNote="Re-released for DXP Platform.", PackageDescription="Switch; 2 Leads", PackageReference=SPST-2, Published=24-Mar-1999, Publisher="Altium Limited"
_2 R1 R1_2 R2 R2_1 R2_2 R3 R3_1 R3_2 R4 R4_1 R4_2 R5 R5_1 R5_2 R6 R6_1 R6_2 R7 R7_1 R7_2 R8 R8_1 R8_2 R9 R9_1 R9_2 R10 R10_1 R10_2 R11 R11_1 R11_2 R12 R12_1 R12_2 R13 R13_1 R13_2 R14 R14_1 R14_2 R15 R15_1 R15_2 R16 R16_1 R16_2 R17 R17_1 R17_2 R18 R18_1 R18_2 R19 R19_1 R19_2 R20 R20_1 R20_2 R21 R21_1 R21_2 R22 R22_1 R22_2 R23 R23_1 R23_2 R24 R24_1 R24_2 R25 R25_1 R25_2 R26 R26_1 R26_2 R27 R27_1 R27_2 R28 R28_1 R28_2 R29 R29_1 R29_2 R30 R30_1 R30_2 R31 R31_1 R32 R32_1 R32_2 R33 R33_1 R33_2 R34 R34_1 R34_2 R35 R35_1 R35_2 R36 R36_1 R36_2 R37 R37_1 R37_2 R38 R38_1 R38_2 R39 R39_1 R39_2 R40 R40_1 R41 R41_1 R42 R42_1 R43 R44 R45 R46 R?: library part Resistor, Published=24.03.2010, Publisher="Andrew Danich", Type=Резистор
C1 C1_1 C2 C2_1 C3 C3_1 C4 C4_1 C5 C5_1 C6 C6_1 C7 C7_1 C8 C8_1 C8_2 C9 C9_1 C9_2 C10 C10_1 C10_2 C11 C11_1 C11_2 C12 C12_1 C12_2 C13 C13_1 C13_2 C14 C14_1 C14_2 C15 C15_1 C15_2 C16 C16_1 C16_2 C17 C17_1 C17_2 C18 C18_1 C18_2 C19 C19_1 C19_2 C20 C20_1 C20_2 C21 C21_1 C21_2 C22 C22_1 C22_2 C23 C23_1 C23_2 C24 C24_1 C24_2 C25 C25_1 C25_2 C26 C26_1 C26_2 C27 C27_1 C27_2 C28 C28_1 C28_2 C29 C29_1 C29_2 C30 C30_1 C30_2 C31 C31_1 C32 C32_1 C33 C33_1 C34 C34_1 C35 C36 C37 C38: library part Capacitor, Published=18.05.2010, Publisher="Andrew Danich", Type=Конденсатор
C2_2 C3_2 C5_2 C31_2: "Tantalum Surface Mount Capacitors", Package="SMD-2 Kemet", Availability="In Stock", Check_prices=https://www.snapeda.com/parts/T493B105K025BC6120/KEMET/view-part/?ref=eda, MF=KEMET, MP=T493B105K025BC6120, Price=None, SnapEDA_Link=https://www.snapeda.com/parts/T493B105K025BC6120/KEMET/view-part/?ref=snap
D: library part GTFP08131Y2HR
VD1: library part Schottky
Y1: library part ABM7-8.000MHZ-8-R80-D2Y-T, "Crystal 22.1184MHz Ã‚Â±20ppm (Tol) Ã‚Â±30ppm (Stability) 18pF FUND 50Ohm 2-Pin Mini-CSMD T/R", Package=None, Availability=Unavailable, MP=ABM7-8.000MHZ-8-R80-D2Y-T, Price=None
_1: Published=18.05.2010, Publisher="Andrew Danich", Type=Диод
C1_2 C4_2 C6_2 C7_2: Published=18.05.2010, Publisher="Andrew Danich", Type=Конденсатор
L1 L2 L3: Code_IEC=1005, Code_JEITA=0402, LatestRevisionDate=29-May-2009, LatestRevisionNote="IPC-7351 Footprint Added.", PackageDescription="Chip Inductor", PackageReference=0402-A, Published=8-Jun-2000, Publisher="Altium Limited"
VD1 VD2 VD3 VD4 VD5 VD6 VD7: Published=20.05.2013, Publisher="Andrew Danich", Type=Стабилитрон
VT1 VT2: Published=07.05.2013, Publisher="Andrew Danich", Type=Транзистор
XW1 XW2 XW3: Published=19.09.2015, Publisher="НТЦ \"Вектор\"", Type=Розетка

## Free pads (board coordinates)
  rect 4x51 hole 4 square: 7(78.821,51.53) 7(129.626,51.778)

## Via types
v1: diameter 0.6, hole 0.4, Top Layer 1 to Bottom Layer 1, 394 vias
v2: diameter 0.7, hole 0.5, Top Layer 1 to Bottom Layer 1, 186 vias
v3: diameter 0.8, hole 0.6, Top Layer 1 to Bottom Layer 1, 108 vias
v4: diameter 0.6, hole 0.3, Top Layer 1 to Bottom Layer 1, 1 vias